# Altium PCB PCB2.PcbDoc (part 4 of 4)
Units mil, origin at the board's own origin, x right, y up, seen from the top; angles counter-clockwise.
Board outline 8413.39 x 5625.98 mil, 6 copper layers (Top Layer, GND1, Misc, Power, GND2, Bottom Layer), stack 60.93 mil thick; 263 components, 224 nets, 1651 pads, 1073 vias.
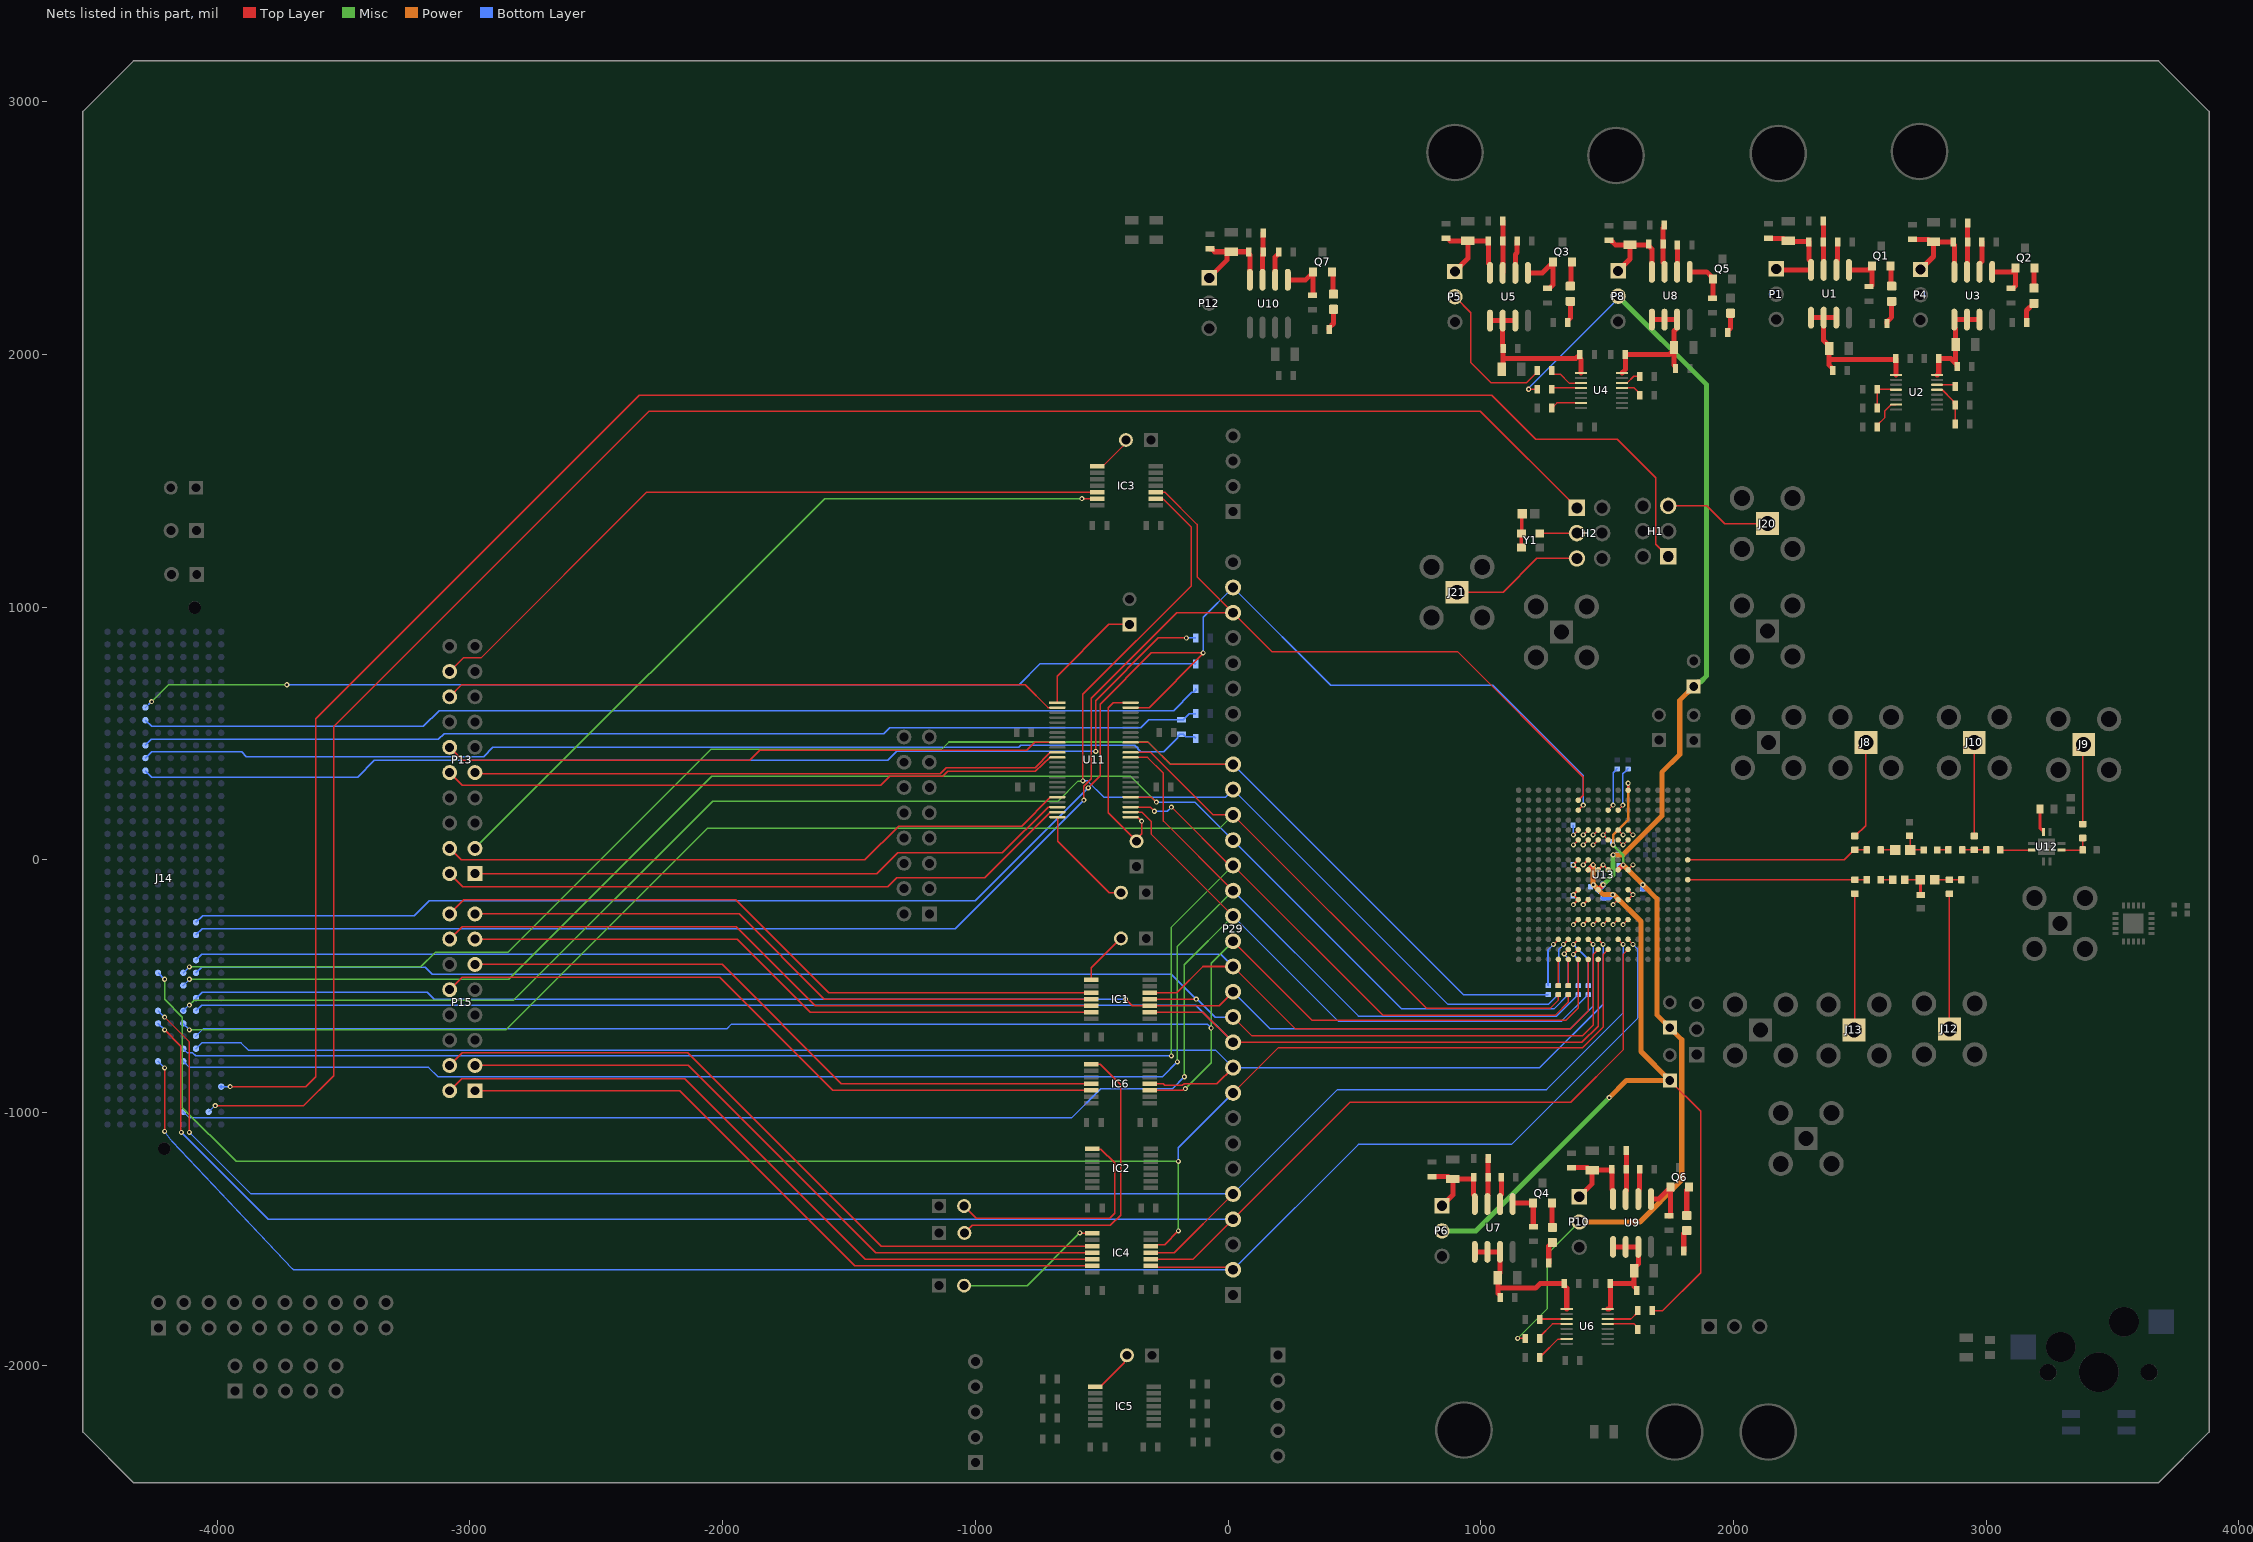
[diagram p8: the nets of this part, all layers, seen from the top]

## Via types
v1: diameter 30, hole 15, Top Layer to Bottom Layer, 676 vias
v2: diameter 20, hole 10, Top Layer to Bottom Layer, tented both sides, 395 vias
v3: diameter 30, hole 15, Top Layer to Bottom Layer, tented both sides, 2 vias

## Nets (pads, with @x,y where several pads share a name; then routed paths per layer and width w, separated by ;. In a path a pad name is that pad's centre, name@x,y a point inside that pad or via, vN(x,y) a via of type N, cw(c..) or ccw(c..) an arc to the next point about the centre after c; other vN are vias at no path point) (continued)
NetC1_1: C1.1 U2.7 | length 131.6
  Top Layer w6: C1.1@2568.11,1712.6 2568.11,1719.49 2599.28,1750.66 2599.28,1777.38 2623.08,1801.18 U2.7@2643.31,1801.18
NetC10_2: C10.2 U1.6 | length 112.4
  Top Layer w20: U1.6@2406.89,2334.65 2406.89,2367.12 2412.2,2372.44 C10.2@2412.2,2444.88
NetC11_1: C11.1 U4.7 | length 124.3
  Top Layer w6: C11.1@1280.71,1787.4 1301.5,1808.19 U4.7@1396.42,1808.19
NetC20_2: C20.2 U3.6 | length 121.9
  Top Layer w20: U3.6@2973.82,2326.77 2973.82,2359.25 2983.07,2368.5 C20.2@2983.07,2444.88
NetC21_1: C21.1 U6.7 | length 140.9
  Top Layer w6: C21.1@1233.46,-1968.5 1233.46,-1961.61 1234.29,-1960.79 1241.18,-1960.79 1305.8,-1896.17 1339.66,-1896.17 U6.7@1340.16,-1895.67
NetC30_2: C30.2 U5.6 | length 129.2
  Top Layer w20: U5.6@1136.61,2322.83 1136.61,2396.14 1143.66,2403.19 1143.66,2447.99 C30.2@1144.49,2448.82
NetC38_2: C38.2 U7.6 | length 108.5
  Top Layer w20: U7.6@1076.18,-1362.2 1076.18,-1329.73 1081.5,-1324.41 C38.2@1081.5,-1255.91
NetC46_2: C46.2 U8.6 | length 106.9
  Top Layer w20: U8.6@1776.97,2326.77 1777.66,2327.46 1777.66,2432.38 C46.2@1778.35,2433.07
NetC54_2: C54.2 U9.6 | length 120.3
  Top Layer w20: U9.6@1623.43,-1342.52 1623.43,-1310.04 1628.74,-1304.73 C54.2@1628.74,-1224.41
NetC59_2: C59.2 U10.6 | length 115.7
  Top Layer w20: U10.6@186.42,2295.28 186.42,2385.43 199.61,2398.62 C59.2@199.61,2405.51
NetC79_1: C79.1 R59.1 | length 57.1
  Top Layer w5.63: R59.1@2582.68,39.37 C79.1@2639.76,39.37
NetC79_2: C79.2 L1.1 L3.1 | length 111.1
  Top Layer w5.63: L3.1@2696.85,95.47 2698.82,93.5 C79.2@2698.82,39.37 L1.1@2752.95,39.37
NetC80_1: C80.1 L2.2 R58.2 | length 122.9
  Top Layer w5.63: C80.1@2677.17,-78.74 R58.2@2739.09,-78.74
  Top Layer w12.82: R58.2@2739.09,-78.74 2739.63,-79.27 2739.63,-138.74 L2.2@2740.16,-139.27
NetC80_2: C80.2 R62.2 | length 47.2
  Top Layer w5.63: R62.2@2582.68,-78.74 C80.2@2629.92,-78.74
NetD1_A: D1.A R11.2 | length 95.9
  Top Layer w20: R11.2@2607.48,2122.05 2607.48,2128.94 2625.98,2147.44 D1.A@2625.98,2210.24
NetD1_C: D1.C Q1.2 | length 81.9
  Top Layer w20: Q1.2@2622.05,2350.39 2624.02,2348.43 2624.02,2272.05 D1.C@2625.98,2270.08
NetD2_A: D2.A R21.2 | length 88.7
  Top Layer w20: R21.2@3159.84,2125.98 3159.84,2173.62 3188.58,2202.36 D2.A@3188.98,2202.36
NetD2_C: D2.C Q2.2 | length 81.1
  Top Layer w20: D2.C@3188.98,2262.2 3189.96,2263.19 3189.96,2341.54 Q2.2@3190.94,2342.52
NetD3_A: D3.A R31.2 | length 88.7
  Top Layer w20: R31.2@1343.7,2125.98 1343.7,2132.87 1354.33,2143.5 D3.A@1354.33,2210.24
NetD3_C: D3.C Q3.2 | length 98.5
  Top Layer w20: D3.C@1354.33,2270.08 1357.28,2273.03 1357.28,2363.19 Q3.2@1360.24,2366.14
NetD4_A: D4.A R35.2 | length 86.6
  Top Layer w20: R35.2@1268.9,-1594.49 1268.9,-1528.35 1283.07,-1514.17 D4.A@1283.46,-1514.17
NetD4_C: D4.C Q4.2 | length 96.9
  Top Layer w20: Q4.2@1281.5,-1358.27 1282.48,-1359.25 1282.48,-1453.35 D4.C@1283.46,-1454.33
NetD5_A: D5.A R39.2 | length 80.8
  Top Layer w20: R39.2@1977.56,2086.61 1977.56,2093.5 1988.19,2104.13 D5.A@1988.19,2162.99
NetD6_A: D6.A R43.2 | length 85.4
  Top Layer w20: R43.2@1803.15,-1547.24 1803.15,-1478.35 1814.57,-1466.93 D6.A@1814.96,-1466.93
NetD6_C: D6.C Q6.2 | length 115.9
  Top Layer w20: D6.C@1814.96,-1407.09 1814.96,-1307.09 1824.8,-1297.24 Q6.2@1824.8,-1295.28
NetD7_A: D7.A R47.2 | length 87.5
  Top Layer w20: R47.2@400,2098.43 400,2105.32 417.32,2122.64 D7.A@417.32,2178.74
NetD7_C: D7.C Q7.2 | length 90.6
  Top Layer w20: Q7.2@411.42,2326.77 414.37,2323.82 414.37,2241.54 D7.C@417.32,2238.58
NetH1_1: H1.1 J14.K4 | length 8107.7
  Top Layer w5.63: v2(-3948.82,-897.64) -3649.61,-897.64 -3610.24,-858.27 -3610.24,559.06 -2330.71,1838.58 1043.31,1838.58 1216.54,1665.35 1539.65,1665.35 1692.91,1512.09 1692.91,1249.61 H1.1@1741.73,1200.79
  Bottom Layer w5.63: J14.K4@-3984.06,-897.44 v2@-3949.02,-897.44
  Bottom Layer w12.82: J14.K4@-3984.25,-897.24 J14.K4@-3984.06,-897.44 ; v2@-3949.02,-897.44 v2(-3948.82,-897.64)
NetH1_5: H1.5 J20.1 | length 389.7
  Top Layer w5.63: H1.5@1741.73,1400.79 1895.03,1400.79 1965.11,1330.71 J20.1@2102.36,1330.71
NetH2_1: H2.1 J14.J2 | length 7531.1
  Top Layer w6: v2(-4007.87,-972.44) -3657.48,-972.44 -3539.37,-854.33 -3539.37,527.56 -2291.34,1775.59 997.64,1775.59 H2.1@1380.31,1392.91
  Bottom Layer w6: J14.J2@-4034.25,-997.24 -4009.45,-972.44 v2(-4007.87,-972.44)
NetH2_3: H2.3 Y1.3 | length 147.3
  Top Layer w5.63: Y1.3@1233.56,1292.62 H2.3@1380.02,1292.62
  Top Layer w12.82: Y1.3@1233.27,1292.32 Y1.3@1233.56,1292.62 ; H2.3@1380.02,1292.62 H2.3@1380.31,1292.91
NetH2_5: H2.5 J21.1 | length 530.2
  Top Layer w5.63: J21.1@905.51,1059.06 1088.36,1059.06 1222.22,1192.91 H2.5@1380.31,1192.91
NetIC1_8: IC1.8 P19.2 | length 211.8
  Top Layer w5: IC1.8@-540.87,-474.41 -540.87,-427.87 P19.2@-424.02,-311.02
NetIC2_8: IC2.8 P21.2 | length 932.8
  Top Layer w5: P21.2@-1044.49,-1370.08 -997.24,-1417.32 -468.5,-1417.32 -448.82,-1397.64 -448.82,-1199.45 -503.32,-1144.94 -535.68,-1144.94 IC2.8@-536.93,-1143.7
NetIC3_8: IC3.8 P22.2 | length 162.9
  Top Layer w6: IC3.8@-517.24,1557.09 -497.07,1557.09 -404.33,1649.82 P22.2@-404.33,1661.42
NetIC4_8: IC4.8 P25.2 | length 594.8
  Top Layer w5: v2(-586.61,-1476.38) -584.65,-1478.35 IC4.8@-536.93,-1478.35
  Misc w5: P25.2@-1044.49,-1685.04 -795.28,-1685.04 v2(-586.61,-1476.38)
NetIC5_8: IC5.8 P27.2 | length 187.5
  Top Layer w5: IC5.8@-525.12,-2084.65 -504.94,-2084.65 -409.98,-1989.69 -409.98,-1970.22 P27.2@-400.39,-1960.63
NetIC6_8: IC6.8 P28.2 | length 1312.3
  Top Layer w5: P28.2@-1043.31,-1476.38 -1012.92,-1445.99 -465.68,-1445.99 -425.2,-1405.51 -425.2,-889.76 -505.91,-809.06 IC6.8@-540.87,-809.06
NetJ8_1: J8.1 R64.1 | length 389.2
  Top Layer w5.63: R64.1@2480.32,94.49 2482.28,94.49 2523.62,135.83 J8.1@2523.62,464.57
NetJ9_1: J9.1 R66.1 | length 316.6
  Top Layer w5.63: R66.1@3381.89,141.73 J9.1@3381.89,452.76
  Top Layer w6: J9.1@3381.89,452.76 J9.1@3385.83,456.69
NetJ10_1: J10.1 R65.1 | length 370.1
  Top Layer w5.63: R65.1@2952.76,94.49 J10.1@2952.76,464.57
NetJ12_1: J12.1 R67.1 | length 535.4
  Top Layer w5.63: J12.1@2854.33,-669.29 R67.1@2854.33,-133.86
NetJ13_1: J13.1 R68.1 | length 541
  Top Layer w5.63: J13.1@2480.31,-669.29 R68.1@2480.31,-133.86
  Top Layer w6: J13.1@2476.38,-673.23 J13.1@2480.31,-669.29
NetJ14_D29: J14.D29 R70.1 | length 4513.8
  Top Layer w5: v2(-523.62,429.13) -523.62,629.92 -275.59,877.95 v2(-165.35,877.95)
  Bottom Layer w5: J14.D29@-4284.25,352.76 -4258.27,326.77 -3444.88,326.77 -3377.95,393.7 -1346.46,393.7 -1311.02,429.13 v2(-523.62,429.13) ; v2(-165.35,877.95) R70.1@-127.17,877.95
NetJ14_D30: J14.D30 R69.1 R71.1 | length 4243.9
  Bottom Layer w5: J14.D30@-4284.25,402.76 -4259.84,427.17 -3903.54,427.17 -3884.63,408.25 -2946.08,408.25 -2909.45,444.88 -828.79,444.88 -820.91,452.76 -370.08,452.76 -344.7,427.38 -255.3,427.38 -199.61,483.06 -199.61,489.31 -191.29,497.64 -178.15,497.64 -167.72,487.2 -134.06,487.2 R71.1@-127.17,480.32
NetJ14_D31: J14.D31 R69.2 R72.1 | length 4209.3
  Bottom Layer w5: J14.D31@-4284.25,452.76 -4260.63,476.38 -3125.98,476.38 -3102.36,500 -1362.2,500 -1338.58,523.62 -345.33,523.62 -313.83,555.12 R69.2@-185.04,555.12 -178.15,555.12 -154.53,578.74 R72.1@-127.17,578.74
NetJ14_D33: J14.D33 R73.1 | length 4231.3
  Bottom Layer w5: J14.D33@-4284.25,552.76 -4259.84,528.35 -3184.25,528.35 -3122.05,590.55 -214.96,590.55 -142.92,662.59 -136.67,662.59 -128.35,670.92 R73.1@-128.35,677.17
NetJ14_D34: J14.D34 R74.1 | length 4228.7
  Misc w6: v2(-4259.84,625.98) -4192.91,692.91 v2(-3724.41,692.91)
  Bottom Layer w6: J14.D34@-4284.25,602.76 -4261.02,625.98 v2(-4259.84,625.98) ; v2(-3724.41,692.91) -3677.17,692.91 -826.77,692.91 -744.09,775.59 R74.1@-127.17,775.59
NetL1_2: L1.2 R60.2 | length 44.3
  Top Layer w5.63: L1.2@2806.1,39.37 R60.2@2850.39,39.37
NetP16_1: P16.1 U11.1 | length 475.4
  Top Layer w5: U11.1@-675.23,622.05 -675.23,727.53 -471.26,931.5 P16.1@-389.76,931.5
NetP17_2: P17.2 U11.24 | length 430
  Top Layer w5: U11.24@-675.23,169.29 -673.23,167.29 -673.23,73.62 -469.69,-129.92 P17.2@-424.02,-129.92
NetP18_2: P18.2 U11.25 U11.48 | length 809.1
  Top Layer w5: U11.25@-385.83,169.29 -358.24,169.29 v2(-342.52,153.54) ; U11.48@-385.83,622.05 -453.76,622.05 -456.69,619.12 -456.69,618.87 -474.19,601.37 -474.19,185.61 P18.2@-362.2,73.62 -362.2,83.83 -342.52,103.52 v2(-342.52,153.54)
NetQ1_1: Q1.1 R7.2 U1.5 | length 186.5
  Top Layer w20: U1.5@2456.89,2334.65 2533.46,2334.65 Q1.1@2547.24,2348.43 ; R7.2@2535.43,2268.9 2542.32,2268.9 2547.24,2273.82 Q1.1@2547.24,2348.43 ; Q1.1@2547.24,2350.39 Q1.1@2547.24,2348.43
NetQ2_1: Q2.1 R18.2 U3.5 | length 190.9
  Top Layer w20: U3.5@3023.82,2326.77 3102.36,2326.77 Q2.1@3116.14,2340.55 ; R18.2@3098.43,2261.02 3105.31,2261.02 3116.14,2271.85 Q2.1@3116.14,2340.55 ; Q2.1@3116.14,2342.52 Q2.1@3116.14,2340.55
NetQ3_1: Q3.1 R28.2 U5.5 | length 234.1
  Top Layer w20: U5.5@1186.61,2322.83 1244.09,2322.83 Q3.1@1285.43,2364.17 ; R28.2@1263.78,2261.02 1270.67,2261.02 1285.43,2275.79 Q3.1@1285.43,2364.17 ; Q3.1@1285.43,2366.14 Q3.1@1285.43,2364.17
NetQ4_1: Q4.1 R33.2 U7.5 | length 177.7
  Top Layer w20: U7.5@1126.18,-1362.2 1126.18,-1359.94 1127.85,-1358.27 Q4.1@1206.69,-1358.27 1207.68,-1359.25 1207.68,-1450.75 1208.5,-1451.57 R33.2@1208.66,-1451.57
NetQ5_1: Q5.1 R37.2 U8.5 | length 183.4
  Top Layer w20: U8.5@1826.97,2326.77 1893.7,2326.77 1919.29,2301.18 Q5.1@1919.29,2299.21 1918.31,2298.23 1918.31,2222.48 1917.48,2221.65 R37.2@1917.32,2221.65
NetQ6_1: Q6.1 R41.2 U9.5 | length 213.7
  Top Layer w20: U9.5@1673.43,-1342.52 1702.76,-1342.52 1742.28,-1302.99 1744.25,-1302.99 Q6.1@1750,-1297.24 ; R41.2@1744.09,-1408.27 1749.17,-1408.27 1750,-1407.44 Q6.1@1750,-1297.24 ; Q6.1@1750,-1295.28 Q6.1@1750,-1297.24
NetQ7_1: Q7.1 R45.2 U10.5 | length 207.2
  Top Layer w20: U10.5@236.42,2295.28 307.09,2295.28 Q7.1@336.61,2324.8 ; R45.2@334.65,2233.46 335.79,2233.46 336.61,2234.29 Q7.1@336.61,2324.8 ; Q7.1@336.61,2326.77 Q7.1@336.61,2324.8
NetR1_2: R1.2 U2.14 | length 74.9
  Top Layer w6: U2.14@2805.51,1879.92 2872.05,1879.92 R1.2@2877.95,1874.02
NetR2_2: R2.2 R6.1 U2.4 | length 150.8
  Top Layer w6: R6.1@2568.11,1787.4 R2.2@2568.11,1862.2 2620.47,1862.2 2622.44,1860.24 U2.4@2643.31,1860.24
NetR3_2: R3.2 R9.1 U2.13 | length 177.2
  Top Layer w6: U2.13@2805.51,1860.24 2825.74,1860.24 2868.94,1817.03 2868.94,1807.04 R9.1@2876.77,1799.21 R3.2@2876.77,1724.41
NetR4_1: R4.1 R10.2 U1.7 | length 193.5
  Top Layer w20: R10.2@2355.51,2527.56 R4.1@2355.51,2444.88 2356.2,2444.19 2356.2,2335.33 U1.7@2356.89,2334.65
NetR12_2: R12.2 U4.3 | length 140.5
  Top Layer w6: R12.2@1280.71,1937.01 1280.71,1930.12 1288.54,1922.29 1314.13,1922.29 1349.5,1886.93 U4.3@1396.42,1886.93
NetR13_2: R13.2 U4.14 | length 81.1
  Top Layer w6: U4.14@1558.62,1886.93 1578.85,1886.93 1605.31,1913.39 R13.2@1628.74,1913.39
NetR14_2: R14.2 U4.4 | length 117.8
  Top Layer w6: R14.2@1280.71,1862.2 1285.75,1867.24 U4.4@1396.42,1867.24
NetR15_2: R15.2 U4.13 | length 86
  Top Layer w6: U4.13@1558.62,1867.24 1606.97,1867.24 1628.74,1845.47 R15.2@1628.74,1838.58
NetR16_1: R16.1 R20.2 U3.7 | length 194
  Top Layer w20: U3.7@2923.82,2326.77 2923.82,2359.25 2926.38,2361.81 R16.1@2926.38,2444.88 R20.2@2926.38,2519.69
NetR22_2: R22.2 U6.3 | length 107.5
  Top Layer w6: R22.2@1233.46,-1818.9 1235.43,-1816.93 U6.3@1340.16,-1816.93
NetR23_2: R23.2 U6.14 | length 136.4
  Top Layer w6: U6.14@1502.36,-1816.93 1594.29,-1816.93 1620.87,-1790.35 R23.2@1620.87,-1783.46
NetR24_2: R24.2 U6.4 | length 134.4
  Top Layer w6: R24.2@1233.46,-1893.7 1233.46,-1886.81 1283.66,-1836.61 U6.4@1340.16,-1836.61
NetR25_2: R25.2 U6.13 | length 132.7
  Top Layer w6: U6.13@1502.36,-1836.61 1607.28,-1836.61 1622.05,-1851.38 R25.2@1622.05,-1858.27
NetR26_1: R26.1 R30.2 U5.7 | length 205.2
  Top Layer w20: U5.7@1086.61,2322.83 1087.2,2323.43 1087.2,2448.23 R26.1@1087.8,2448.82 R30.2@1087.8,2527.56
NetR32_1: R32.1 R34.2 U7.7 | length 182.2
  Top Layer w20: U7.7@1026.18,-1362.2 1026.18,-1329.73 1028.74,-1327.17 R32.1@1028.74,-1255.91 R34.2@1028.74,-1181.1
NetR36_1: R36.1 R38.2 U8.7 | length 188.9
  Top Layer w20: R38.2@1725.59,2511.81 1725.59,2504.92 1721.65,2500.98 R36.1@1721.65,2437.01 1721.65,2364.56 1726.97,2359.25 U8.7@1726.97,2326.77
NetR40_1: R40.1 R42.2 U9.7 | length 194
  Top Layer w20: U9.7@1573.43,-1342.52 1573.43,-1310.04 1575.98,-1307.48 R40.1@1575.98,-1224.41 R42.2@1575.98,-1149.61
NetR44_1: R44.1 R46.2 U10.7 | length 186.1
  Top Layer w20: U10.7@136.42,2295.28 136.42,2396.06 138.98,2398.62 R44.1@138.98,2405.51 R46.2@138.98,2480.32
NetR56_1: R56.1 U12.8 | length 99
  Top Layer w12.82: R56.1@3212.6,200.79 3212.6,127.39 3220.61,119.38 3225.48,119.38 3225.98,118.88 U12.8@3225.98,110.24
NetR57_1: R57.1 R58.1 R67.2 | length 105.2
  Top Layer w5.63: R58.1@2796.34,-78.74 R67.2@2854.33,-78.74 R57.1@2901.57,-78.74
NetR60_1: R60.1 R61.2 R65.2 | length 94.5
  Top Layer w5.63: R60.1@2905.51,39.37 R65.2@2952.76,39.37 R61.2@3000,39.37
NetR61_1: R61.1 U12.2 | length 125.6
  Top Layer w5.63: R61.1@3055.12,39.37 3055.71,38.78 U12.2@3180.51,38.78
NetR63_2: R63.2 R66.2 U12.5 | length 131.9
  Top Layer w5.63: U12.5@3297.44,38.78 R63.2@3381.3,38.78 ; R63.2@3381.89,39.37 R66.2@3381.89,86.61
  Top Layer w20: R63.2@3381.3,38.78 R63.2@3381.89,39.37
NetR76_1: R76.1 U13.312 | length 104.3
  Top Layer w6: R76.1@1346.46,-498.03 U13.312@1346.46,-393.7
NetR77_1: R77.1 U13.311 | length 104.3
  Top Layer w6: R77.1@1307.09,-498.03 U13.311@1307.09,-393.7
NetR78_1: R78.1 U13.295 | length 160
  Top Layer w6: v2(1366.14,-374.02) U13.295@1385.83,-354.33
  Bottom Layer w6: v2(1366.14,-374.02) 1385.83,-393.7 R78.1@1385.83,-498.03
NetR79_1: R79.1 U13.294 | length 157.2
  Top Layer w6: v2@1330.22,-371.34 U13.294@1346.46,-355.1
  Top Layer w12.82: v2(1330.22,-372.1) v2@1330.22,-371.34 ; U13.294@1346.46,-355.1 U13.294@1346.46,-354.33
  Bottom Layer w6: v2(1330.22,-372.1) 1330.22,-374.05 1346.46,-390.28 R79.1@1346.46,-498.03
NetR80_2: R80.2 U13.46 | length 178.6
  Top Layer w6: U13.46@1503.94,196.85 v2(1523.62,216.54)
  Bottom Layer w5.63: v2(1523.62,216.54) 1523.62,344.49 1531.54,352.41 1531.54,353.39 1538.39,360.24 R80.2@1539.37,360.24
NetR81_1: R81.1 U13.277 | length 215.7
  Top Layer w6: v2(1366.14,-334.65) U13.277@1385.83,-314.96
  Bottom Layer w6: v2(1366.14,-334.65) 1425.2,-393.7 R81.1@1425.2,-498.03
NetR82_2: R82.2 U13.47 | length 180.3
  Top Layer w6: U13.47@1543.31,196.85 1543.31,197.01 1562.68,216.38 v2(1562.68,216.54)
  Bottom Layer w5.63: v2(1562.68,216.54) 1562.68,340.24 1574.85,352.41 1574.85,353.39 1581.69,360.24 R82.2@1582.68,360.24
NetR83_1: R83.1 U13.276 | length 199.4
  Top Layer w6: v2(1326.77,-334.65) U13.276@1346.46,-314.96
  Bottom Layer w6: R83.1@1307.09,-498.03 1308.81,-496.31 1308.81,-354.55 1326.77,-336.59 v2(1326.77,-334.65)
NetR84_1: R84.1 U13.275 | length 200.8
  Top Layer w6: v2(1287.4,-334.65) U13.275@1307.09,-314.96
  Bottom Layer w6: R84.1@1267.72,-498.03 1265.99,-496.31 1265.99,-356.05 v2(1287.4,-334.65)
Reg_1V6: C28.2 C29.2 P5.1 R26.2 U5.8 | length 443.6
  Top Layer w20: C29.2@862.2,2459.45 869.09,2459.45 878.94,2449.61 C28.2@948.82,2449.61 ; P5.1@897.64,2328.35 948.82,2379.53 C28.2@948.82,2449.61 ; U5.8@1036.61,2322.83 1036.61,2355.31 1031.14,2360.78 1031.14,2447.99 1029.92,2449.21 949.21,2449.21 C28.2@948.82,2449.61
Reg_1V8: C18.2 C19.2 P4.1 R16.2 U3.8 | length 411.4
  Top Layer w20: C19.2@2708.66,2455.51 2771.65,2455.51 2781.5,2445.67 C18.2@2791.34,2445.67 ; P4.1@2740.16,2336.22 2791.34,2387.4 C18.2@2791.34,2445.67 ; U3.8@2873.82,2326.77 2873.82,2433.07 2861.22,2445.67 C18.2@2791.34,2445.67
Reg_1V8_IO: C57.2 C58.2 P12.1 R44.2 U10.8 | length 400.4
  Top Layer w20: P12.1@-74.8,2303.15 -4.76,2373.19 -4.76,2399.57 C57.2@1.97,2406.3 ; C58.2@-70.87,2417.32 -63.98,2417.32 -52.95,2406.3 73.82,2406.3 86.42,2393.7 U10.8@86.42,2295.28
Reg_1V_D: C36.2 C37.2 P6.1 R32.2 U7.8 | length 400.4
  Top Layer w20: C37.2@807.09,-1253.15 870.08,-1253.15 879.92,-1262.99 C36.2@889.76,-1262.99 ; P6.1@846.46,-1368.5 889.76,-1325.2 C36.2@889.76,-1262.99 ; R32.2@971.26,-1255.91 R32.2@971.26,-1262.17 ; U7.8@976.18,-1362.2 976.18,-1329.73 971.26,-1324.81 R32.2@971.26,-1262.17 ; C36.2@889.76,-1262.99 970.43,-1262.99 R32.2@971.26,-1262.17
Reg_1V_On: C44.2 C45.2 P8.1 R36.2 U8.8 | length 398.3
  Top Layer w20: C45.2@1507.87,2451.57 1508.7,2450.75 1515.59,2450.75 1532.48,2433.86 1580.71,2433.86 1663.35,2433.86 1664.17,2433.03 1664.17,2430.12 1676.97,2417.32 U8.8@1676.97,2326.77 ; P8.1@1543.31,2330.71 1590.55,2377.95 C44.2@1590.55,2433.86
Reg_3V3: C5.2 C6.2 P1.1 R4.2 U1.8 | length 420.3
  Top Layer w20: C6.2@2137.8,2459.45 2196.85,2459.45 2206.69,2449.61 C5.2@2216.54,2449.61 2218.9,2447.24 2297.2,2447.24 2298.03,2446.42 R4.2@2298.03,2444.88 2298.03,2375.98 2306.89,2367.12 U1.8@2306.89,2334.65 2173.23,2334.65 P1.1@2169.29,2338.58
Reg_V85_RF: C52.2 C53.2 P10.1 R40.2 U9.8 | length 411.5
  Top Layer w20: C53.2@1358.27,-1217.72 1421.26,-1217.72 1431.1,-1227.56 C52.2@1440.94,-1227.56 ; P10.1@1389.76,-1333.07 1440.94,-1281.89 C52.2@1440.94,-1227.56 ; R40.2@1518.5,-1224.41 R40.2@1518.5,-1226.73 ; U9.8@1523.43,-1342.52 1523.43,-1310.04 1518.5,-1305.12 R40.2@1518.5,-1226.73 ; C52.2@1440.94,-1227.56 1517.68,-1227.56 R40.2@1518.5,-1226.73
RF_RX_DUT: R62.1 R68.2 U13.180 | length 708.7
  Top Layer w5.63: U13.180@1818.9,-78.74 R68.2@2480.31,-78.74 R62.1@2527.56,-78.74
RF_TX_DUT: R59.2 R64.2 U13.144 | length 725
  Top Layer w5.63: U13.144@1818.9,0 2438.98,0 2478.35,39.37 R64.2@2480.32,39.37 R59.2@2527.56,39.37
SCAN_CLK: IC4.4 J14.E10 P29.5 U13.281 | length 7325.1
  Top Layer w6: v2(-4208.66,-622.05) -4110.24,-720.47 v2(-4110.24,-1078.74) ; IC4.4@-305.59,-1555.12 -213.39,-1555.12 P29.5@19.68,-1322.05 ; U13.281@1543.31,-314.96 v2(1562.99,-334.65)
  Bottom Layer w6: J14.E10@-4234.25,-597.24 -4209.45,-622.05 v2(-4208.66,-622.05) ; v2(-4110.24,-1078.74) -3866.93,-1322.05 P29.5@19.68,-1322.05 432.68,-909.06 1260.24,-909.06 1562.99,-606.3 v2(1562.99,-334.65)
SCAN_IN: IC4.5 J14.E13 P29.9 U13.298 | length 7280.4
  Top Layer w5: IC4.5@-285.41,-1529.53 IC4.5@-305.59,-1529.53 -299.23,-1523.17 -251.52,-1523.17 v2(-196.85,-1468.5)
  Top Layer w6: P29.9@19.68,-922.05 197.64,-744.09 1401.57,-744.09 1484.25,-661.42 1484.25,-374.02 U13.298@1503.94,-354.33
  Misc w5: v2(-4208.66,-472.44) -4208.66,-551.24 -4137.8,-622.11 -4137.8,-980.31 -3925.2,-1192.91 v2(-196.85,-1192.91) v2(-196.85,-1468.5)
  Bottom Layer w5: J14.E13@-4234.25,-447.24 -4209.06,-472.44 v2(-4208.66,-472.44) ; v2(-196.85,-1192.91) -196.85,-1138.58 P29.9@19.68,-922.05
SCAN_OUT: IC4.3 J14.E9 P29.4 U13.300 | length 7391.1
  Top Layer w5: v2(-4208.66,-673.23) -4143.92,-737.97 -4143.92,-1076.56 v2(-4141.73,-1078.74)
  Top Layer w6: IC4.3@-305.59,-1580.71 -138.98,-1580.71 P29.4@19.68,-1422.05 482.68,-959.06 1355.91,-959.06 1562.99,-751.97 1562.99,-374.02 U13.300@1582.68,-354.33
  Bottom Layer w5: J14.E9@-4234.25,-647.24 -4234.25,-647.64 v2(-4208.66,-673.23) ; v2(-4141.73,-1078.74) -3798.43,-1422.05 P29.4@19.68,-1422.05
SCAN_SEL: IC4.2 J14.E6 P29.2 U13.282 | length 7427.4
  Top Layer w6: v2(-4208.66,-1074.8) v2(-4208.66,-822.83) ; IC4.2@-305.59,-1606.3 -299.73,-1612.16 9.8,-1612.16 P29.2@19.68,-1622.05 ; U13.282@1582.68,-314.96 v2(1602.36,-334.65)
  Bottom Layer w6: J14.E6@-4234.25,-797.24 v2(-4208.66,-822.83) ; v2(-4208.66,-1074.8) -4179.42,-1113.75 -3701.82,-1618.53 -3698.3,-1622.05 P29.2@19.68,-1622.05 515.75,-1125.98 1122.05,-1125.98 1620.36,-627.67 1620.36,-352.65 v2(1602.36,-334.65)
SPI0_CS: IC6.4 J14.H7 P29.10 U13.279 | length 6347.3
  Top Layer w5: IC6.4@-309.53,-885.83 -256.95,-885.83 -250.91,-891.87 -180.4,-891.87 -174.36,-885.83 -44.09,-885.83 P29.10@19.68,-822.05